# KiCad board UniDebug.kicad_pcb (continued)
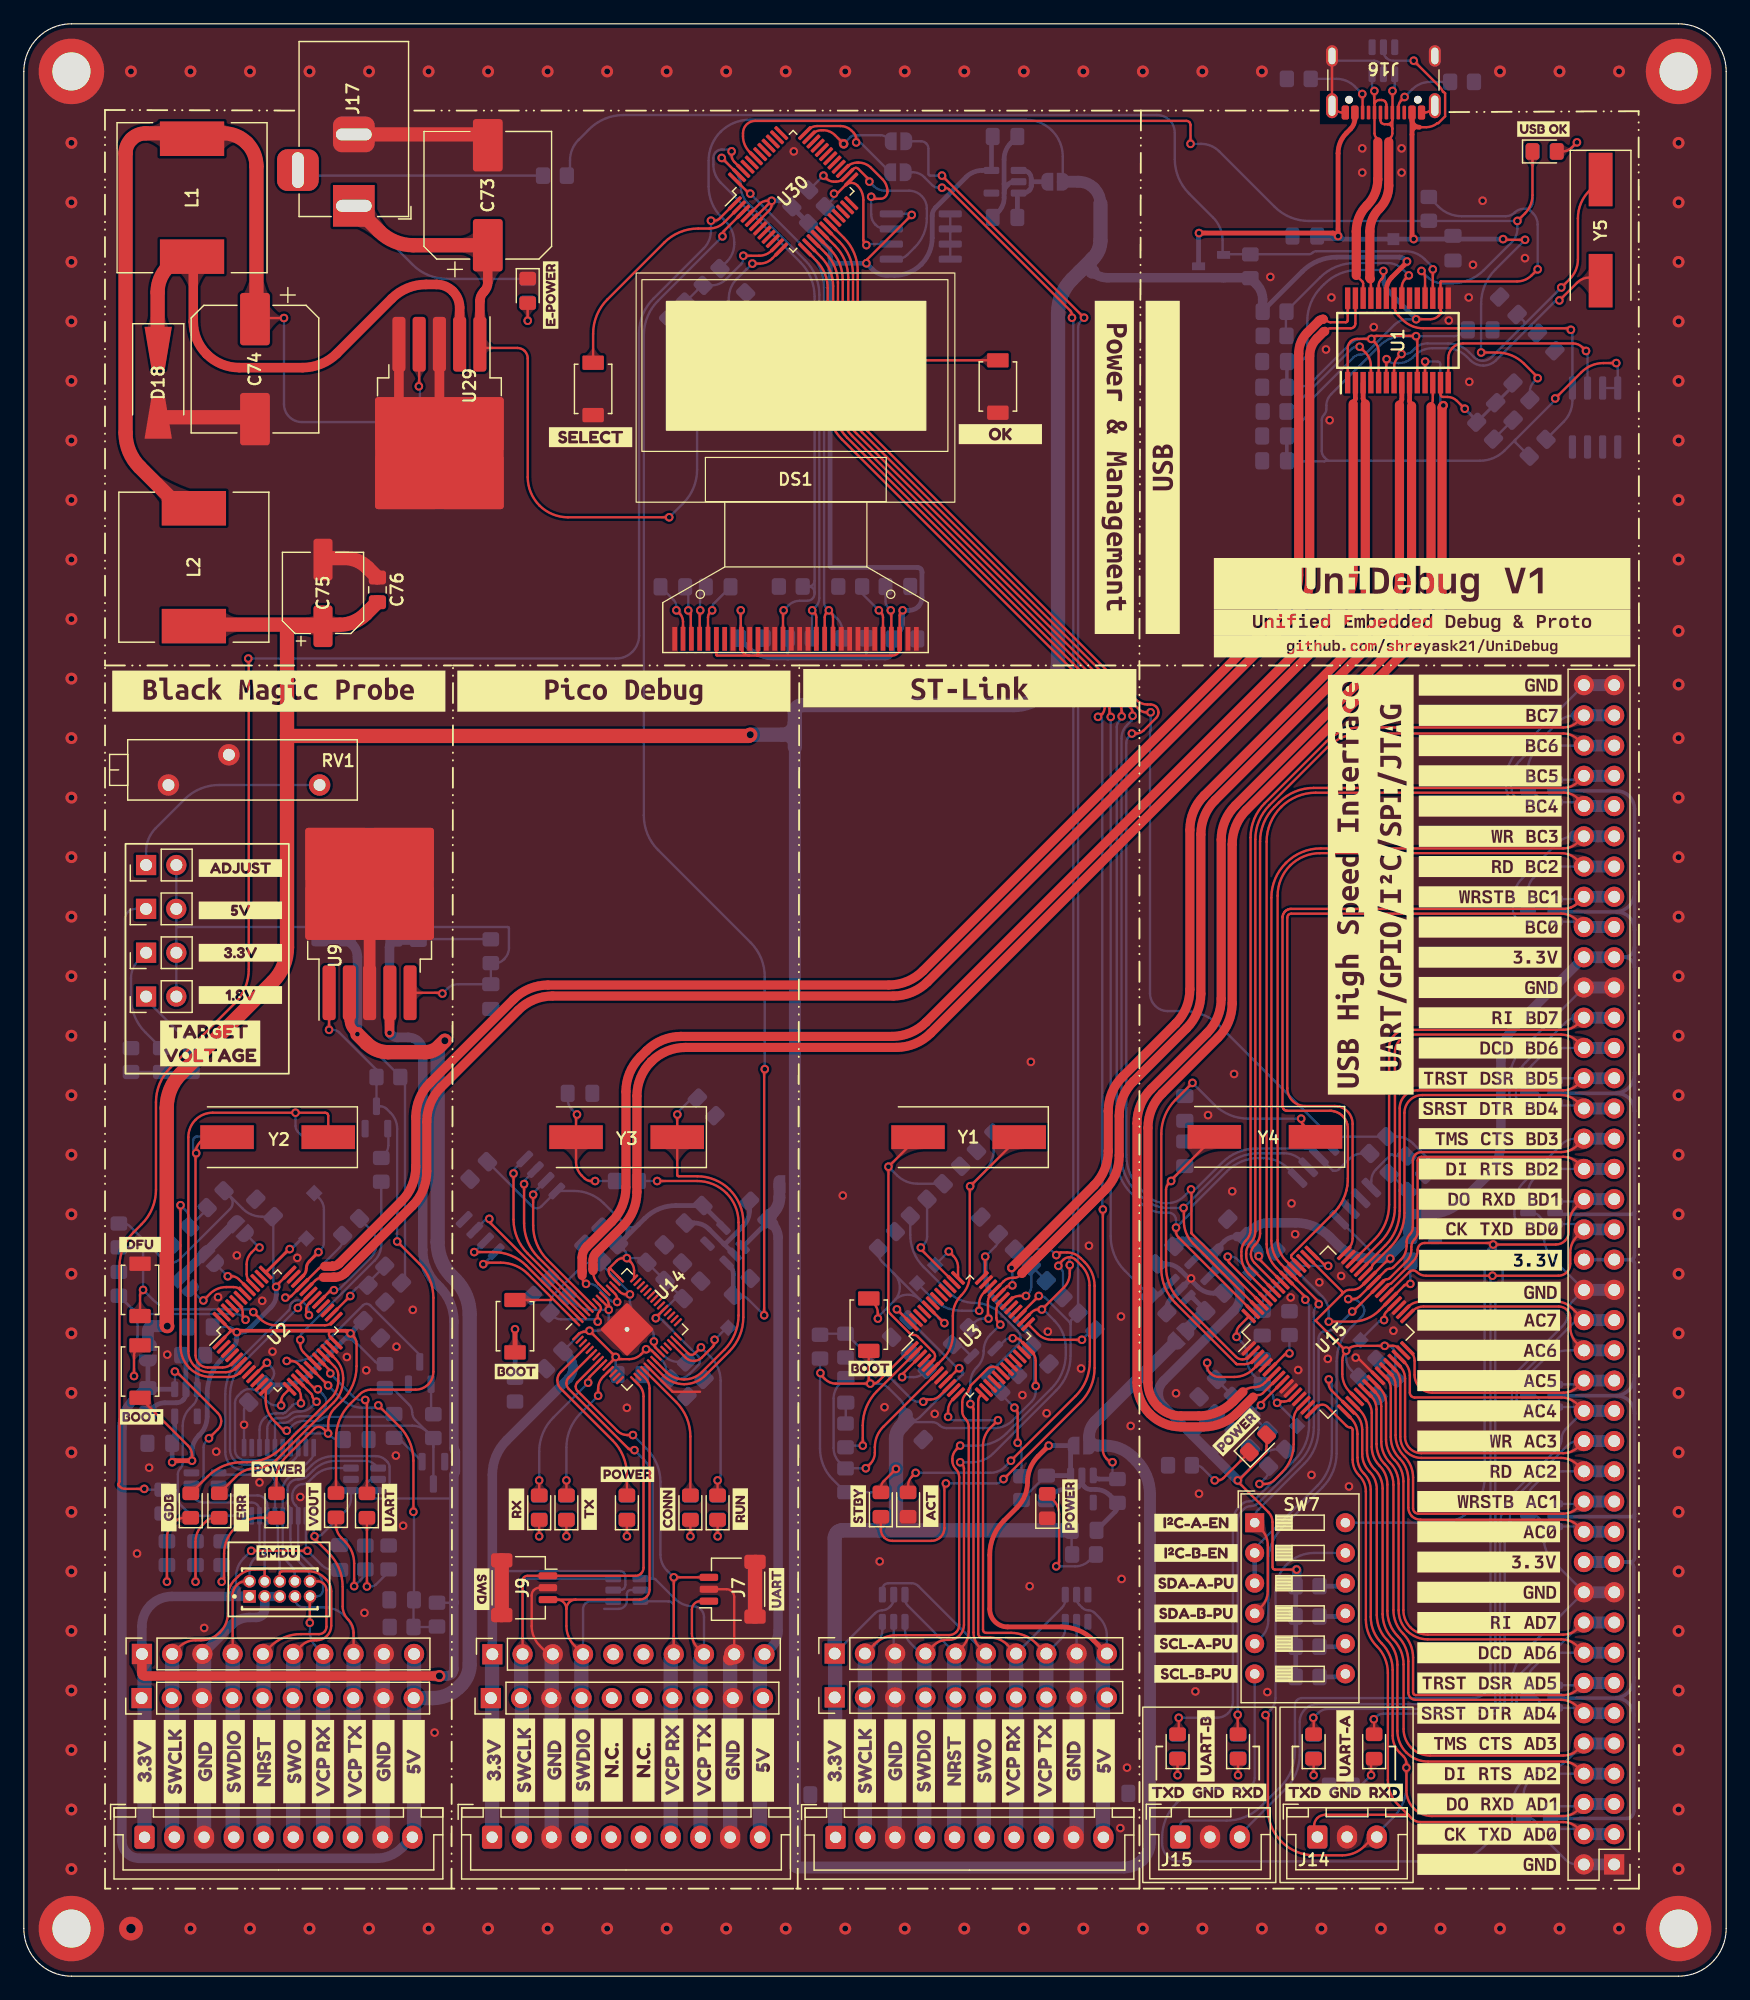
[diagram p0: board, top side]
## Routing (per net, layer and track width the routed paths; a pad name or vN(x,y) marks a point on that pad's centre or on a via; arc(x,y) is an arc through that point) (continued)
/BlackMagicProbe/BMP_TDI_OUT: length 20.9
  Bottom w0.2: J8.08 22.77,33.66 arc(22.68,34.11) 22.43,34.5 22.26,34.66 arc(21.88,35.23) 21.75,35.9 U10.5 21.75,40.86 arc(21.84,41.35) 22.12,41.76 22.18,41.82 arc(22.53,42.05) 22.94,42.13 arc(23.36,42.22) 23.71,42.45 24.17,42.91 arc(25.02,43.48) 26.04,43.68 29.6,43.68 arc(30.03,43.6) 30.39,43.35 30.53,43.21 arc(30.67,43) 30.72,42.76 30.72,41.3 arc(30.68,41.1) 30.57,40.93 arc(30.41,40.82) 30.21,40.78
/BlackMagicProbe/BMP_TDO: length 10.3
  Top w0.2: v1(24.7,49.3) 24.7,49.3 arc(24.7,49.3) 24.69,49.29 24.59,49.29 arc(24.49,49.31) 24.4,49.37 U2.16
  Bottom w0.2: U10.15 21.1,46.42 arc(21.1,46.44) 21.11,46.46 arc(21.13,46.48) 21.16,46.48 21.83,46.48 arc(22.19,46.55) 22.5,46.76 arc(22.8,46.96) 23.16,47.03 24.18,47.03 arc(24.65,47.13) 25.05,47.4 25.12,47.47 arc(25.34,47.79) 25.41,48.17 arc(25.34,48.56) 25.12,48.88 v1(24.7,49.3)
/BlackMagicProbe/BMP_TDO_OUT: length 41.6
  Top w0.2: J8.06 21.5,33.83 arc(21.52,33.9) 21.56,33.96 arc(21.62,34) 21.69,34.01 23.92,34.01 arc(24.65,33.87) 25.27,33.46 25.42,33.3 arc(25.72,32.86) 25.82,32.33 25.82,29.44 arc(25.73,28.97) 25.46,28.58 arc(25.07,28.31) 24.6,28.22 24.44,28.22 arc(23.82,28.1) 23.3,27.75 J6.6
  Bottom w0.2: 16.51,42.13 20.43,42.13 arc(20.69,42.08) 20.9,41.94 arc(21.05,41.72) 21.1,41.47 21.1,38.78 ; 21.5,33.18 21.5,34.75 arc(21.48,34.85) 21.42,34.94 arc(21.37,35.02) 21.35,35.12 21.35,37.69 arc(21.33,37.76) 21.3,37.82 arc(21.26,37.87) 21.25,37.94 21.25,38.42 arc(21.23,38.51) 21.17,38.6
  Bottom w1.2: 22.62,11.69 22.62,26.98
/BlackMagicProbe/BMP_TMS: length 7.4
  Top w0.2: v1(23.28,48.12) 23.28,48.66 arc(23.2,49.05) 22.98,49.38
  Bottom w0.2: v1(23.28,48.12) 23,48.12 arc(22.75,48.07) 22.54,47.93 22.54,47.92 arc(22.54,47.92) 22.53,47.91 21.99,47.37 arc(21.98,47.36) 21.98,47.36 21.97,47.36 arc(21.88,47.3) 21.78,47.28 arc(21.78,47.28) 21.78,47.28 21.18,47.28 arc(21.18,47.28) 21.18,47.28 arc(20.65,47.18) 20.2,46.88 arc(19.9,46.43) 19.8,45.9 U10.13
/BlackMagicProbe/BMP_TMS_OUT: length 33.6
  Top w0.2: J6.4 17.54,32.02 arc(17.63,32.46) 17.88,32.83 17.95,32.9 arc(18.24,33.1) 18.59,33.17
  Bottom w0.2: U8.4 14.38,40.08 arc(14.72,39.86) 15.11,39.78 19.16,39.78 arc(19.4,39.74) 19.61,39.6 arc(19.75,39.39) 19.8,39.14 ; 18.96,33.18 18.96,34.07 arc(19.07,34.62) 19.38,35.08 arc(19.69,35.55) 19.8,36.09 19.8,38.3
  Bottom w1.2: J6.4 17.54,11.77
/BlackMagicProbe/BMP_TRST: length 23.3
  Bottom w0.2: 34.4,44.47 Q2.3 ; 34.4,44.47 arc(34.27,45.15) 33.88,45.72 ; 34.4,44.47 arc(34.27,45.15) 33.88,45.72 ; 33.88,45.72 32.89,46.71 arc(32.69,47.01) 32.62,47.36 arc(32.55,47.71) 32.36,48.01 31.18,49.19 arc(30.93,49.35) 30.65,49.41 ; 33.88,45.72 arc(33.31,46.11) 32.63,46.24 25.16,46.24 arc(25.16,46.24) 25.15,46.24 arc(25.14,46.24) 25.14,46.23 24.16,46.23 arc(23.48,46.1) 22.91,45.72 22.68,45.49 arc(22.47,45.17) 22.4,44.8
/BlackMagicProbe/BMP_TXD: length 27.8
  Top w0.2: U2.30 23.9,56.45 arc(23.77,56.25) 23.72,56.01 23.72,55.92 arc(23.75,55.77) 23.84,55.64 v1(23.95,55.53)
  Bottom w0.2: v1(23.95,55.53) 23.95,55.83 arc(23.89,56.12) 23.74,56.35 23.49,56.6 arc(23.28,56.74) 23.02,56.79 arc(22.77,56.74) 22.56,56.6 22.49,56.54 arc(22.4,56.39) 22.36,56.22 arc(22.33,56.05) 22.23,55.91 18.12,51.79 arc(17.23,50.47) 16.92,48.91 16.92,44.01 arc(17.03,43.45) 17.36,42.97 arc(17.83,42.65) 18.4,42.53 22.43,42.53 arc(23.16,42.68) 23.78,43.1 24.09,43.4 arc(24.28,43.69) 24.35,44.03
/BlackMagicProbe/BMP_TXD_OUT: length 41.4
  Top w0.2: v1(24.42,36.95) 24.42,36.85 arc(24.44,36.75) 24.49,36.68 25.6,35.57 arc(26.48,34.26) 26.78,32.71 26.78,31.07 arc(26.9,30.47) 27.24,29.96 arc(27.58,29.45) 27.7,28.85 J6.8
  Bottom w0.2: U10.1 24.35,37.07 arc(24.36,37.03) 24.38,36.99 v1(24.42,36.95) 24.65,36.95 arc(24.86,36.99) 25.04,37.11 27.05,39.12 arc(27.37,39.6) 27.48,40.17 U7.1 ; J6.8 27.7,28.5 arc(27.51,29.45) 26.97,30.25 arc(26.17,30.79) 25.22,30.98 23.55,30.98 arc(23.25,31.04) 23,31.21 22.94,31.27 arc(22.82,31.45) 22.77,31.67
  Bottom w1.2: J6.8 27.7,11.74
/BlackMagicProbe/BMP_VBUS: length 5.7
  Top w0.2: v1(27.42,57.13) 27.42,57.13 arc(27.42,57.13) 27.41,57.13 U2.26
  Bottom w0.2: 28.92,58.24 R30.2 ; v1(27.42,57.13) 27.42,57.2 arc(27.44,57.27) 27.47,57.32 27.93,57.78 arc(28.22,57.97) 28.55,58.04
/BlackMagicProbe/EN_BMP: length 170.2
  Top w0.2: U30.1 58.46,147.66 arc(58.24,147.51) 57.99,147.46 v1(57.72,147.46) ; v1(18.86,110.69) 18.88,110.67 arc(18.89,110.64) 18.9,110.62 18.9,84.59 arc(18.59,83.03) 17.7,81.7 12.3,76.3 arc(11.41,74.97) 11.1,73.41 11.1,66.06 arc(10.79,64.5) 9.91,63.18 9.23,62.5 arc(8.35,61.18) 8.04,59.62 8.04,41.55 arc(8.02,41.45) 7.96,41.37 arc(7.93,41.29) 7.96,41.22 8.06,41.11 arc(8.26,40.98) 8.49,40.94 v1(10.12,40.94)
  Bottom w0.2: v1(18.86,110.69) 49.76,110.69 arc(50.5,110.83) 51.12,111.25 arc(51.53,111.87) 51.68,112.6 51.68,138.01 arc(51.99,139.58) 52.88,140.9 57.11,145.14 arc(57.56,145.81) 57.72,146.6 v1(57.72,147.46) ; U10.10 14.89,38.67 arc(14.15,38.82) 13.51,39.24 13.27,39.48 arc(13.03,39.85) 12.94,40.29 12.94,40.68 ; v1(10.12,40.94) 10.15,40.9 arc(10.19,40.88) 10.23,40.87 R47.1 12.75,40.87 arc(12.82,40.86) 12.88,40.81 ; 12.94,40.68 12.94,40.84 ; 12.94,40.68 arc(12.93,40.75) 12.88,40.81 ; 12.94,40.84 12.94,42.15 arc(12.99,42.42) 13.14,42.65 arc(13.29,42.87) 13.35,43.14 13.35,46.24 arc(13.51,47.04) 13.96,47.72 14.23,47.99 arc(14.48,48.37) 14.57,48.82 ; 12.94,40.84 arc(12.92,40.81) 12.88,40.81
  Bottom w0.4: U12.3 14.57,51.06 arc(14.66,51.48) 14.9,51.84
/BlackMagicProbe/TPWR_BR: length 18.4
  Top w0.2: U2.19 23.5,52.4 arc(23.3,52.7) 23.22,53.07 v1(23.22,53.46)
  Bottom w0.2: 30.02,66.7 30.02,61.45 arc(29.88,60.73) 29.47,60.12 23.37,54.01 arc(23.26,53.85) 23.22,53.66 v1(23.22,53.46)
/BlackMagicProbe/TPWR_EN: length 52
  Top w0.2: D7.2 26.22,45.19 arc(26.53,46.75) 27.42,48.07 28.23,48.89 arc(28.65,49.17) 29.15,49.27 32.9,49.27 arc(33.96,49.71) 34.4,50.77 34.4,56.98 arc(34.09,58.55) 33.21,59.87 v1(31.36,61.71) ; v1(25.64,79.49) 25.64,80.3 arc(25.64,80.3) 25.64,80.3 arc(25.65,80.31) 25.65,80.31 U9.1
  Bottom w0.2: v1(31.36,61.71) 31.36,71.19 arc(31.22,71.91) 30.81,72.52 30.48,72.85 arc(30.23,73.01) 29.94,73.07 Q4.3 29.62,76.15 26.5,79.27 arc(26.25,79.44) 25.96,79.49 v1(25.64,79.49)
/BlackMagicProbe/TPWR_SENSE: length 28.6
  Top w0.2: v1(25.56,49.62) 24.09,51.1 ; v1(32.73,39.01) 32.73,43.31 arc(32.42,44.87) 31.53,46.2 v1(29.78,47.95)
  Bottom w0.2: v1(32.73,39.01) 32.75,38.98 arc(32.77,38.96) 32.77,38.93 C27.2 ; v1(25.56,49.62) 26.69,48.5 arc(27.52,47.94) 28.51,47.74 29.43,47.74 arc(29.57,47.77) 29.68,47.85 v1(29.78,47.95) ; 34.67,29.33 R41.1 32.74,31.58
/BlackMagicProbe/~{BMP_SWCLK}: length 4.2
  Top w0.25: v1(22.34,61.08) 22.32,61.08 arc(22.29,61.07) 22.28,61.06 U2.37
  Bottom w0.25: v1(22.34,61.08) 22.4,61.08 arc(22.46,61.09) 22.51,61.12 23.35,61.97
/BlackMagicProbe/~{BMP_SWDIO}: length 8.4
  Top w0.25: U2.34 23.49,58.86 arc(23.67,59.14) 23.73,59.46 arc(23.8,59.78) 23.98,60.06 v1(24.75,60.82)
  Bottom w0.2: v1(24.75,60.82) 24.98,61.05 arc(25.15,61.31) 25.21,61.61 25.21,64.39 arc(25.1,64.92) 24.8,65.37 TP7.1
/BlackMagicProbe/~{BMP_VSYS}: length 114.9
  Top w0.2: 27.06,54.22 25.92,54.22 arc(25.65,54.04) 25.71,53.72 U2.24 ; 17.3,54.11 16.43,53.24 ; 17.3,54.11 arc(17.35,54.23) 17.3,54.35 ; 17.3,54.11 arc(17.44,54.2) 17.59,54.23 ; 17.3,54.35 U2.48 ; 17.3,54.35 arc(17.44,54.26) 17.59,54.23 ; D3.2 21.22,41.69 arc(21.43,42.73) 22.02,43.62 24.38,45.98 arc(24.78,46.14) 25.17,45.98 v1(25.56,45.58) 25.56,46.37 arc(25.71,47.1) 26.12,47.72 26.76,48.35 arc(27.64,49.68) 27.95,51.24 27.95,53.13 arc(27.88,53.46) 27.7,53.74 v1(27.44,53.99) ; v1(21.19,57.9) 21.19,57.94 arc(21.2,57.98) 21.22,58.01 U2.36 ; 17.59,54.23 17.66,54.23 arc(17.75,54.21) 17.82,54.16 v1(17.89,54.1) ; SW2.1 13.81,44.55 arc(14.05,44.19) 14.13,43.76 v1(14.13,43.3) ; v1(20.42,51.53) 19.28,50.39
  Top w0.3: 27.06,54.22 18.1,54.22 arc(18.02,54.2) 17.95,54.16 ; 27.06,54.22 arc(27.2,54.19) 27.33,54.11 ; 27.06,54.22 arc(27.2,54.19) 27.33,54.11 ; 27.33,54.11 v1(27.44,53.99)
  Top w0.4: 17.95,54.16 v1(17.89,54.1) ; v1(12.46,43.17) 12.52,43.24 arc(12.6,43.28) 12.68,43.3 v1(14.13,43.3)
  Bottom w0.2: v1(27.44,53.99) 27.44,54.01 arc(27.45,54.02) 27.45,54.03 27.92,54.5 ; C13.1 17.14,54.53 arc(17.43,54.48) 17.67,54.32 v1(17.89,54.1) ; 16.88,65.98 18.39,64.47 arc(19.13,63.97) 20.01,63.8 C15.1 20.96,58.31 arc(20.99,58.16) 21.08,58.02 v1(21.19,57.9) ; 20.69,50 20.81,50.12 arc(20.97,50.36) 21.02,50.63 arc(20.97,50.91) 20.81,51.15 v1(20.42,51.53) ; U10.19 23.7,45.52 arc(23.7,45.55) 23.72,45.57 arc(23.74,45.58) 23.76,45.58 v1(25.56,45.58) 25.82,45.33 arc(26.1,45.14) 26.43,45.08 ; R20.1 17.33,65.47 arc(17.54,64.96) 17.33,64.45 13.11,60.23 arc(12.78,60.01) 12.39,59.94 arc(12,60.01) 11.68,60.23 8.93,62.97 arc(8.66,63.16) 8.34,63.22 ; 26.67,53.25 arc(27.28,53.5) 27.88,53.25 29.5,51.63 arc(29.74,51.47) 30.03,51.41
  Bottom w0.4: v1(14.13,43.3) 14.13,44.07 arc(14.27,44.79) 14.68,45.39 14.77,45.48 arc(15.24,46.18) 15.4,47.01 15.4,48.93 arc(15.71,50.49) 16.6,51.81 17.54,52.75 arc(17.8,53.14) 17.89,53.6 v1(17.89,54.1) 18.27,54.1 arc(18.63,54.17) 18.93,54.37 20.77,56.21 arc(21.09,56.7) 21.21,57.27 21.21,57.88 arc(21.21,57.89) 21.2,57.9 v1(21.19,57.9) ; v1(12.46,43.17) C21.1 ; U12.5 12.67,44.98 ; 20.83,49.67 21.72,49.67 arc(22.98,49.92) 24.06,50.63 27.88,54.46 ; 27.92,54.5 27.88,54.46 ; 27.88,54.46 arc(27.63,53.85) 27.88,53.25
/Main_USB_HUB/EESCL: length 17.7
  Top w0.2: v1(131.23,136.52) 130.91,136.83 arc(130.56,137.07) 130.14,137.15 120.9,137.15 arc(120.42,137.06) 120.02,136.79 arc(119.75,136.38) 119.65,135.91 U1.14
  Bottom w0.2: U28.6 131.35,136.3 arc(131.34,136.38) 131.29,136.45 v1(131.23,136.52)
/Main_USB_HUB/EESDA: length 26
  Top w0.2: v1(129.96,138.3) 129.97,138.31 arc(129.99,138.33) 129.99,138.36 129.99,138.38 arc(129.98,138.41) 129.95,138.42 117.55,138.42 arc(116.61,138.61) 115.82,139.14 115.49,139.47 arc(115.2,139.9) 115.1,140.41
  Bottom w0.2: v1(129.96,138.3) 130.02,138.23 arc(130.07,138.16) 130.08,138.08 U28.5 130.08,132.36 arc(129.89,131.39) 129.34,130.57 R83.1
/Main_USB_HUB/EXTPWR: length 81.4
  Top w0.2: 38.62,136.77 41.46,136.77 arc(41.79,136.71) 42.07,136.52 arc(42.26,136.24) 42.33,135.9 42.33,125.93 arc(42.58,124.63) 43.32,123.54 arc(44.42,122.8) 45.71,122.55 v1(54.21,122.55)
  Top w0.8: C73.1 38.97,142.3 arc(38.89,141.86) 38.64,141.49 arc(38.4,141.13) 38.31,140.69 U29.1
  Top w1.2: C73.1 32.72,145.4 arc(31.16,145.71) 29.84,146.59 J17.1
  Bottom w0.2: R86.1 35.55,142.57 arc(33.99,142.88) 32.66,143.77 J17.1 ; R15.2 56.56,126.54 arc(56.25,125.01) 55.38,123.72 v1(54.21,122.55)
/Main_USB_HUB/HUBRST: length 9.2
  Top w0.2: v1(121.04,131.67) 120.38,132.33 arc(120.02,132.57) 119.59,132.66 119.22,132.66 arc(119.14,132.67) 119.07,132.72 arc(119.02,132.79) 119,132.87 U1.13
  Bottom w0.25: v1(121.04,131.67) 122.04,130.66 ; R80.2 125.09,133.58
/Main_USB_HUB/PDETECT: length 86.9
  Top w0.2: v1(118.35,143.37) U1.17
  Bottom w0.2: v1(118.35,143.37) 118.35,143.46 arc(118.34,143.54) 118.29,143.61 117.68,144.22 arc(116.93,144.72) 116.05,144.9 108.57,144.9 arc(108.4,144.87) 108.26,144.77 arc(108.12,144.68) 107.95,144.65 100.7,144.65 100.7,145.79 arc(100.49,146.84) 99.89,147.74 97.88,149.75 arc(96.99,151.08) 96.68,152.64 96.68,154.84 arc(96.24,155.9) 95.18,156.34 50.38,156.34 arc(48.81,156.03) 47.49,155.14 46.6,154.25 arc(46.07,153.46) 45.88,152.52 45.88,151.5
/Main_USB_HUB/REF: length 11.5
  Top w0.2: U1.4 113.15,135.26 arc(113.03,135.88) 112.68,136.4 v1(112.21,136.87)
  Bottom w0.2: v1(112.21,136.87) 111.97,136.87 arc(111.74,136.83) 111.55,136.7 106.29,131.44
/Main_USB_HUB/USB2_DN: length 118.6
  Top w0.2: v1(49.84,56.63) 49.84,56.89 arc(49.79,57.13) 49.66,57.33 U14.46 ; 46.9,58.86 46.9,58.73 arc(46.94,58.51) 47.06,58.33 v1(47.23,58.16)
  Top w0.4: U1.2 111.85,132.52 arc(111.83,132.4) 111.76,132.29 arc(111.69,132.19) 111.67,132.07
  Top w0.77: 46.9,58.86 46.9,60.35 arc(46.99,60.85) 47.28,61.27 49.38,63.38 arc(50.27,64.7) 50.58,66.26 50.58,74.31 arc(50.89,75.87) 51.77,77.2 52.32,77.74 arc(53.64,78.63) 55.21,78.94 72.91,78.94 arc(74.47,79.25) 75.79,80.13 110.47,114.81 arc(111.36,116.14) 111.67,117.7 111.67,132.07
  Bottom w0.2: v1(49.84,56.63) 49.62,56.63 arc(49.43,56.67) 49.26,56.79 48.12,57.93 arc(47.86,58.1) 47.56,58.16 v1(47.23,58.16)
/Main_USB_HUB/USB2_DP: length 115.4
  Top w0.2: 47.82,59.27 47.82,59.21 arc(47.93,58.65) 48.24,58.18 U14.47
  Top w0.4: U1.3 112.5,132.51 arc(112.53,132.39) 112.59,132.29 arc(112.66,132.19) 112.68,132.07
  Top w0.77: 112.68,132.07 112.68,115.93 arc(112.69,115.88) 112.72,115.84 arc(112.74,115.8) 112.72,115.76 76.17,79.21 arc(74.85,78.33) 73.29,78.02 55.59,78.02 arc(54.03,77.71) 52.7,76.82 52.7,76.82 arc(51.81,75.49) 51.5,73.93 51.5,65.88 arc(51.19,64.32) 50.31,62.99 48.06,60.75 arc(47.88,60.48) 47.82,60.16 47.82,59.27
/Main_USB_HUB/USB3_DN: length 90
  Top w0.2: U3.32 82.55,57.9 arc(82.69,58) 82.86,58.03 v1(83.04,58.03)
  Top w0.4: U1.8 115.75,132.46 arc(115.73,132.33) 115.65,132.22 arc(115.58,132.11) 115.56,131.98
  Top w0.77: v1(82.97,59.5) 89.9,66.42 arc(90.78,67.75) 91.09,69.31 91.09,72.66 arc(91.4,74.22) 92.29,75.55 96.75,80.01 arc(97.64,81.34) 97.95,82.9 97.95,96.28 arc(98.26,97.84) 99.14,99.17 114.36,114.38 arc(115.24,115.71) 115.56,117.27 115.56,131.98
  Bottom w0.2: v1(83.04,58.03) 83.04,59.38 arc(83.03,59.42) 83.01,59.46 v1(82.97,59.5)
/Main_USB_HUB/USB3_DP: length 94.1
  Top w0.2: v1(81.04,55.24) 81.01,55.26 arc(80.99,55.29) 80.99,55.32 80.99,56.67 arc(81.06,57.02) 81.26,57.32 ; 83.84,59.04 83.66,58.86 arc(83.45,58.72) 83.2,58.67 83.04,58.67 arc(82.64,58.59) 82.3,58.36 81.8,57.87
  Top w0.4: U1.9 116.4,132.31 arc(116.43,132.2) 116.49,132.11 arc(116.55,132.01) 116.57,131.9
  Top w0.77: 116.57,131.9 116.57,116.98 arc(116.26,115.42) 115.38,114.1 100.07,98.79 arc(99.18,97.46) 98.87,95.9 98.87,82.52 arc(98.56,80.96) 97.68,79.63 93.21,75.16 arc(92.32,73.84) 92.01,72.28 92.01,68.93 arc(91.7,67.37) 90.82,66.04 83.87,59.09 arc(83.86,59.08) 83.86,59.06 arc(83.85,59.05) 83.84,59.04
  Bottom w0.2: R8.1 79.88,54.93 arc(80.21,55.16) 80.61,55.24 v1(81.04,55.24)
/Main_USB_HUB/USB4_DN: length 111.9
  Top w0.2: v1(117.71,135.63) 117.71,135.62 arc(117.7,135.62) 117.7,135.61 U1.11 ; v1(119.24,131.94) 119.21,131.97 arc(119.19,131.99) 119.15,131.99 119.11,131.99 ; U15.7 104.25,49.85 arc(103.83,49.57) 103.33,49.47 arc(102.82,49.37) 102.4,49.08
  Top w0.77: 102.4,49.08 101.57,48.26 arc(100.25,47.37) 98.69,47.06 97.22,47.06 arc(96.15,47.27) 95.24,47.88 arc(94.64,48.78) 94.43,49.85 94.43,71.26 arc(94.74,72.82) 95.62,74.15 100.31,78.83 arc(101.19,80.16) 101.5,81.72 101.5,95.07 arc(101.81,96.63) 102.7,97.96 117.93,113.19 arc(118.82,114.52) 119.13,116.08 119.13,131.76 arc(119.14,131.83) 119.18,131.89 v1(119.24,131.94)
  Bottom w0.2: v1(119.24,131.94) 119.11,132.07 arc(119.02,132.21) 118.98,132.38 118.98,135.41 arc(118.97,135.49) 118.92,135.56 arc(118.85,135.61) 118.77,135.63 v1(117.71,135.63)
/Main_USB_HUB/USB4_DP: length 109
  Top w0.2: U1.12 118.35,132.39 arc(118.32,132.22) 118.22,132.07 118.1,131.94 ; U15.8 104.09,48.99 arc(103.9,48.86) 103.68,48.81 arc(103.45,48.77) 103.26,48.64
  Top w0.77: 118.21,131.83 118.21,116.46 arc(117.9,114.9) 117.01,113.57 101.78,98.34 arc(100.89,97.02) 100.58,95.45 100.58,82.1 arc(100.27,80.54) 99.39,79.22 94.7,74.53 arc(93.81,73.21) 93.5,71.64 93.5,49.85 arc(93.79,48.43) 94.59,47.23 arc(95.8,46.42) 97.22,46.14 99.07,46.14 arc(100.63,46.45) 101.96,47.34 103.26,48.64
/Main_USB_HUB/USBC_DN: length 22.1
  Top w0.2: 114.96,155.17 114.96,154.79 arc(114.92,154.6) 114.81,154.44 arc(114.71,154.28) 114.67,154.09 ; 114.96,155.17 114.96,155.97 ; 114.96,155.17 arc(114.84,155.45) 114.56,155.57 ; v1(114.97,158.36) 114.97,156.56 ; 114.96,155.97 J16.B7 ; 114.96,155.97 arc(114.84,155.69) 114.56,155.57 ; U1.25 113.15,142.46 arc(113.14,142.52) 113.11,142.57 ; 114.56,155.57 114.3,155.57 arc(114.17,155.59) 114.06,155.67 arc(113.98,155.78) 113.96,155.91 J16.A7
  Top w0.77: 114.66,154.09 114.66,150.39 arc(114.45,149.35) 113.86,148.47 arc(113.27,147.59) 113.06,146.55 113.06,142.68 arc(113.08,142.62) 113.11,142.57
  Bottom w0.2: v1(114.97,158.36) 115.06,158.46 arc(115.13,158.56) 115.16,158.68 U27.1
/Main_USB_HUB/USBC_DP: length 21.3
  Top w0.2: J16.A6 114.46,157.2 arc(114.43,157.35) 114.34,157.48 arc(114.21,157.57) 114.05,157.6 113.87,157.6 arc(113.71,157.57) 113.58,157.48 113.46,157.36 ; v1(113.45,158.36) 113.45,157.38 arc(113.45,157.37) 113.45,157.36 ; 112.18,142.61 112.44,142.35 arc(112.49,142.28) 112.5,142.2 U1.26 ; 113.46,157.36 arc(113.46,157.36) 113.46,157.35 ; 113.46,157.36 arc(113.46,157.36) 113.45,157.36 ; 113.46,157.35 J16.B6 113.46,154.79 arc(113.5,154.6) 113.6,154.44 arc(113.71,154.28) 113.75,154.09 ; 113.46,157.35 arc(113.46,157.36) 113.45,157.36
  Top w0.77: 111.93,142.86 111.93,146.57 arc(112.16,147.75) 112.83,148.75 arc(113.5,149.75) 113.73,150.93 113.73,154.09
  Bottom w0.2: v1(113.45,158.36) 113.35,158.46 arc(113.28,158.56) 113.26,158.68 U27.3
/Main_USB_HUB/USBC_VBUS: length 84.5
  Top w0.2: v1(124.26,145.91) 124.28,145.89 arc(124.32,145.86) 124.35,145.86 v1(126.11,145.86) ; v1(127.16,134.23) 127.16,134.27 arc(127.15,134.31) 127.13,134.34 126.02,135.45 arc(124.98,136.14) 123.75,136.39 v1(122.41,136.39) ; v1(116.75,160.9) 118.87,158.78 arc(119.07,158.54) 119.21,158.27 119.27,158.27 119.39,158.16 119.39,156.23 118.82,155.66 118.74,155.66 arc(118.3,155.4) 117.8,155.31 117.22,155.31 arc(116.79,155.13) 116.61,154.7
  Top w0.4: J16.A9 111.81,156.04 arc(111.71,155.57) 111.45,155.17 111.1,154.82 arc(110.58,154.04) 110.4,153.12 v1(110.4,146.17) 110.27,146.3 arc(110.13,146.39) 109.96,146.42 v1(98.71,146.42) ; v1(116.75,145.91) 116.68,145.98 arc(116.63,146.06) 116.61,146.15 116.61,155.93 ; 116.61,155.93 J16.A4 ; 116.61,155.93 arc(116.79,155.49) 117.22,155.31
  Bottom w0.2: v1(116.75,160.9) 115.02,160.9 arc(114.71,160.96) 114.45,161.14 114.44,161.14 arc(114.27,161.4) 114.21,161.71 ; v1(127.16,134.23) 126.83,133.9 arc(126.59,133.54) 126.51,133.11 ; v1(126.11,145.86) 123.61,143.36 arc(122.72,142.04) 122.41,140.47 v1(122.41,136.39)
  Bottom w0.4: v1(110.4,146.17) 110.53,146.04 arc(110.67,145.95) 110.83,145.91 v1(116.75,145.91) v1(124.26,145.91) ; Q5.3 98.68,146.37 arc(98.68,146.39) 98.7,146.41 v1(98.71,146.42)
  Bottom w0.8: v1(110.4,146.17) C70.1
/Main_USB_HUB/XIN: length 30.6
  Top w0.2: v1(129.14,141.85) 129.15,141.85 arc(129.15,141.85) 129.16,141.85 129.85,142.55 arc(130.36,143.32) 130.55,144.23 130.55,147.67 arc(130.79,148.91) 131.5,149.97 Y5.1 ; v1(115.73,136.26) 115.42,135.95 arc(115.19,135.6) 115.1,135.19 U1.7
  Bottom w0.2: C64.2 126.05,138.97 arc(126.08,138.92) 126.1,138.87 ; v1(129.14,141.85) 126.14,138.85 ; 126.14,138.85 126.05,138.76 ; 126.14,138.85 arc(126.11,138.84) 126.1,138.87 ; 126.05,138.76 123.29,135.99 arc(122.95,135.77) 122.55,135.69 arc(122.16,135.77) 121.82,135.99 121.39,136.42 arc(120.58,136.96) 119.63,137.15 117.9,137.15 arc(117.32,137.04) 116.83,136.71 116.62,136.5 arc(116.36,136.32) 116.06,136.26 v1(115.73,136.26) ; 126.05,138.76 arc(126.08,138.81) 126.1,138.87
/Main_USB_HUB/XOUT: length 23.9
  Top w0.2: v1(114.47,135.83) 114.46,135.82 arc(114.46,135.81) 114.45,135.8 U1.6 ; v1(128.99,140.76) 130.47,142.24 arc(130.96,142.57) 131.55,142.69
  Bottom w0.2: v1(128.99,140.76) 128.84,140.76 arc(128.7,140.73) 128.59,140.66 126.65,138.72 ; C63.2 126.65,138.5 arc(126.62,138.55) 126.6,138.61 ; 126.65,138.72 126.56,138.63 ; 126.65,138.72 arc(126.62,138.67) 126.6,138.61 ; v1(114.47,135.83) 114.64,135.67 arc(114.82,135.54) 115.04,135.5 115.5,135.5 arc(116.14,135.63) 116.68,135.99 116.82,136.13 arc(117.51,136.59) 118.32,136.75 119.46,136.75 arc(120.42,136.56) 121.23,136.02 121.51,135.74 arc(122.01,135.41) 122.59,135.29 arc(123.17,135.41) 123.66,135.74 126.56,138.63 ; 126.56,138.63 arc(126.59,138.64) 126.6,138.61
/Main_USB_HUB/~{SUSPEND}: length 92.1
  Top w0.2: v1(125.46,147.44) 126.09,148.07 arc(126.56,148.77) 126.73,149.6 D17.1 ; U1.18 117.7,142.73 arc(117.66,142.93) 117.55,143.09 v1(117.4,143.24) ; v1(98,153.92) 98,155.5 arc(97.98,155.63) 97.9,155.74 arc(97.79,155.82) 97.66,155.85 61.44,155.85 arc(60.71,155.55) 60.41,154.82 60.41,154.56 arc(60.55,153.85) 60.96,153.25 U30.43
  Bottom w0.2: v1(117.4,143.24) 117.92,142.73 arc(118.5,142.34) 119.17,142.21 119.99,142.21 arc(121.42,142.49) 122.63,143.3 125,145.67 arc(125.34,146.18) 125.46,146.78 v1(125.46,147.44) 107.95,147.44 arc(106.39,147.75) 105.06,148.63 100.41,153.29 arc(99.71,153.75) 98.89,153.92 v1(98,153.92)
/PicoProbe/EN_PP: length 104.7
  Top w0.2: v1(62.19,55.52) 62.19,76.11 arc(62.2,76.14) 62.22,76.17 v1(62.24,76.19) ; v1(58.68,146.14) 58.68,146.31 arc(58.72,146.46) 58.8,146.59 U30.3
  Bottom w0.2: v1(62.19,55.52) 60.83,56.88 arc(60.48,57.11) 60.06,57.2 ; v1(62.24,76.19) 62.24,83.95 arc(61.93,85.51) 61.05,86.84 53.28,94.61 arc(52.39,95.93) 52.08,97.49 52.08,137.85 arc(52.39,139.41) 53.28,140.73 v1(58.68,146.14)
  Bottom w0.4: 59.6,57.65 59.6,58.96 arc(59.53,59.33) 59.32,59.64
/PicoProbe/PP5V: length 58.1
  Bottom w0.4: 62.43,63.31 U16.1
  Bottom w0.8: 62.41,27.23 62.79,27.61 arc(63.21,28.25) 63.36,28.99 63.36,62.04 arc(63.24,62.64) 62.89,63.16
  Bottom w1: JP1.2 63.47,65.41 arc(63.33,64.73) 62.95,64.15 62.89,64.09 arc(62.7,63.63) 62.89,63.16
  Bottom w1.2: J10.10 61.83,26.39 arc(61.88,26.64) 62.03,26.85
/PicoProbe/PP_CONN11: length 53.2
  Top w0.2: v1(51.29,44.19) 51.1,44.19 arc(50.93,44.22) 50.78,44.32 45.78,49.32 arc(45.63,49.54) 45.58,49.81 arc(45.63,50.07) 45.78,50.29 U14.6 ; J7.1 56.83,31.5 arc(56.33,31.29) 56.12,30.79 56.12,28.78 arc(56.25,28.11) 56.63,27.55
  Bottom w0.2: 52.72,33.39 U11.1 ; 52.72,33.39 52.91,33.39 ; 52.72,33.39 arc(52.79,33.42) 52.82,33.48 ; 57.14,27.26 57.14,30.17 arc(56.87,30.81) 56.23,31.07 arc(55.39,31.24) 54.68,31.71 53.07,33.32 arc(53,33.37) 52.91,33.39 ; 52.82,33.48 52.82,41.59 arc(52.62,42.58) 52.06,43.43 v1(51.29,44.19) ; 52.82,33.48 arc(52.85,33.42) 52.91,33.39
  Bottom w1.2: J10.8 56.83,26.53 arc(56.87,26.73) 56.98,26.89
/PicoProbe/PP_CONN12: length 54.3
  Top w0.2: U14.8 46.51,49.89 arc(46.4,49.72) 46.36,49.52 arc(46.4,49.32) 46.51,49.15 49.87,45.8 arc(50.24,45.55) 50.69,45.46 v1(51.17,45.46) ; J12.7 v1(54.6,33.5) J7.3
  Bottom w0.2: v1(54.6,33.5) 54.04,34.06 arc(53.62,34.68) 53.48,35.41 53.48,41.51 arc(53.18,43.02) 52.32,44.3 v1(51.17,45.46) ; 54.6,27.23 54.6,31.05 arc(54.56,31.22) 54.47,31.36 arc(54.33,31.45) 54.16,31.49 U11.3
  Bottom w1.2: J10.7 54.33,26.6 arc(54.37,26.77) 54.47,26.91
/PicoProbe/PP_CONN21: length 62
  Top w0.2: J12.2 41.9,33.22 arc(41.93,33.38) 42.01,33.51 arc(42.15,33.6) 42.3,33.63 J9.1 51.38,33.63 arc(51.64,33.68) 51.86,33.83 arc(52,34.05) 52.06,34.31 52.06,48.71 arc(51.95,49.23) 51.66,49.67 U14.15
  Bottom w0.2: J12.2 41.9,33.18 arc(41.91,33.26) 41.96,33.33 arc(42.02,33.37) 42.1,33.39 U11.6
  Bottom w1.2: J11.2 41.77,26.92 ; J10.2 41.83,23.3
/PicoProbe/PP_CONN22: length 56.1
  Top w0.2: U14.17 52.2,50.26 arc(52.47,49.86) 52.56,49.38 52.56,32.47 arc(52.5,32.15) 52.32,31.88 arc(52.05,31.69) 51.72,31.63 46.36,31.63 ; 46.36,31.63 44.8,31.63 ; 46.36,31.63 arc(45.81,31.4) 45.58,30.85 ; 44.8,31.63 J9.3 ; 44.8,31.63 arc(45.35,31.4) 45.58,30.85 ; J12.4 46.28,27.74 arc(45.76,28.52) 45.58,29.43 45.58,30.85
  Bottom w0.2: J12.4 46.98,30.84 arc(47.03,31.09) 47.17,31.3 arc(47.38,31.44) 47.63,31.49 U11.4
  Bottom w1.2: J10.4 46.83,26.9
/PicoProbe/PP_DVDD: length 25.9
  Top w0.2: v1(52.92,53.31) 52.92,53.12 arc(52.96,52.94) 53.06,52.79 U14.23 ; v1(48.2,54.98) 48.2,55.49 arc(48.24,55.67) 48.34,55.82 48.37,55.86 arc(48.45,55.97) 48.48,56.1 arc(48.45,56.24) 48.37,56.35 U14.50 ; v1(50.91,57.27) 50.6,57.27 arc(50.31,57.33) 50.06,57.49 U14.45
  Bottom w0.2: v1(48.2,54.98) 48.11,55.08 arc(48,55.15) 47.87,55.18 45.11,55.18 arc(44.76,55.25) 44.46,55.45 ; C34.1 54.98,51.6 arc(54.35,51.73) 53.81,52.09 53.05,52.85 arc(52.96,52.98) 52.92,53.14 v1(52.92,53.31) 52.92,53.74 arc(52.85,54.13) 52.63,54.46 51.3,55.79 arc(51.01,56.22) 50.91,56.72 v1(50.91,57.27) 50.91,57.33 arc(50.9,57.39) 50.87,57.44 48.5,59.81 ; 47.89,60.01 arc(47.31,59.9) 46.82,59.57 44.63,57.37 arc(44.31,56.9) 44.19,56.33
/PicoProbe/PP_LED_DAP_CON: length 12
  Top w0.2: U14.18 54.8,48.23 arc(55.68,46.91) 55.99,45.34 D11.2
/PicoProbe/PP_LED_PWR: length 15.7
  Top w0.2: D8.2 50.66,42.12 arc(50.35,43.68) 49.46,45 45.1,49.36 arc(44.89,49.68) 44.82,50.05 arc(44.89,50.43) 45.1,50.75 U14.4
/PicoProbe/PP_LED_TARGET_RUN: length 16.1
  Top w0.2: v1(56.88,52.82) 56.36,52.3 arc(56.23,52.22) 56.09,52.19 arc(55.94,52.22) 55.82,52.3 U14.27 ; v1(58.28,41.65) D12.2
  Bottom w0.2: v1(56.88,52.82) 57.71,52 arc(58.32,51.08) 58.53,50.01 58.53,42.08 arc(58.5,41.92) 58.41,41.77 v1(58.28,41.65)
/PicoProbe/PP_LED_UART_RX: length 13.1
  Top w0.2: U14.9 47.54,50.35 arc(47.44,50.21) 47.41,50.04 v1(47.41,49.85) ; v1(43.29,41.65) D9.2
  Bottom w0.2: v1(47.41,49.85) 44.49,46.94 arc(43.6,45.61) 43.29,44.05 v1(43.29,41.65)
/PicoProbe/PP_LED_UART_TX: length 11.8
  Top w0.2: v1(45.58,41.65) D10.2 ; U14.11 48.66,50.34 arc(48.35,49.89) 48.25,49.34 v1(48.25,48.76)
  Bottom w0.2: v1(48.25,48.76) 46.77,47.29 arc(45.89,45.96) 45.58,44.4 v1(45.58,41.65)
/PicoProbe/PP_RST: length 6.6
  Top w0.2: v1(58.02,53.46) 58.02,53.25 arc(57.99,53.05) 57.87,52.88 56.96,51.96 arc(56.64,51.75) 56.27,51.68 arc(55.9,51.75) 55.59,51.96 U14.26
  Bottom w0.2: v1(58.02,53.46) 59.04,54.47
